# Altium PCB eva01.PcbDoc (part 2 of 4) (continued)
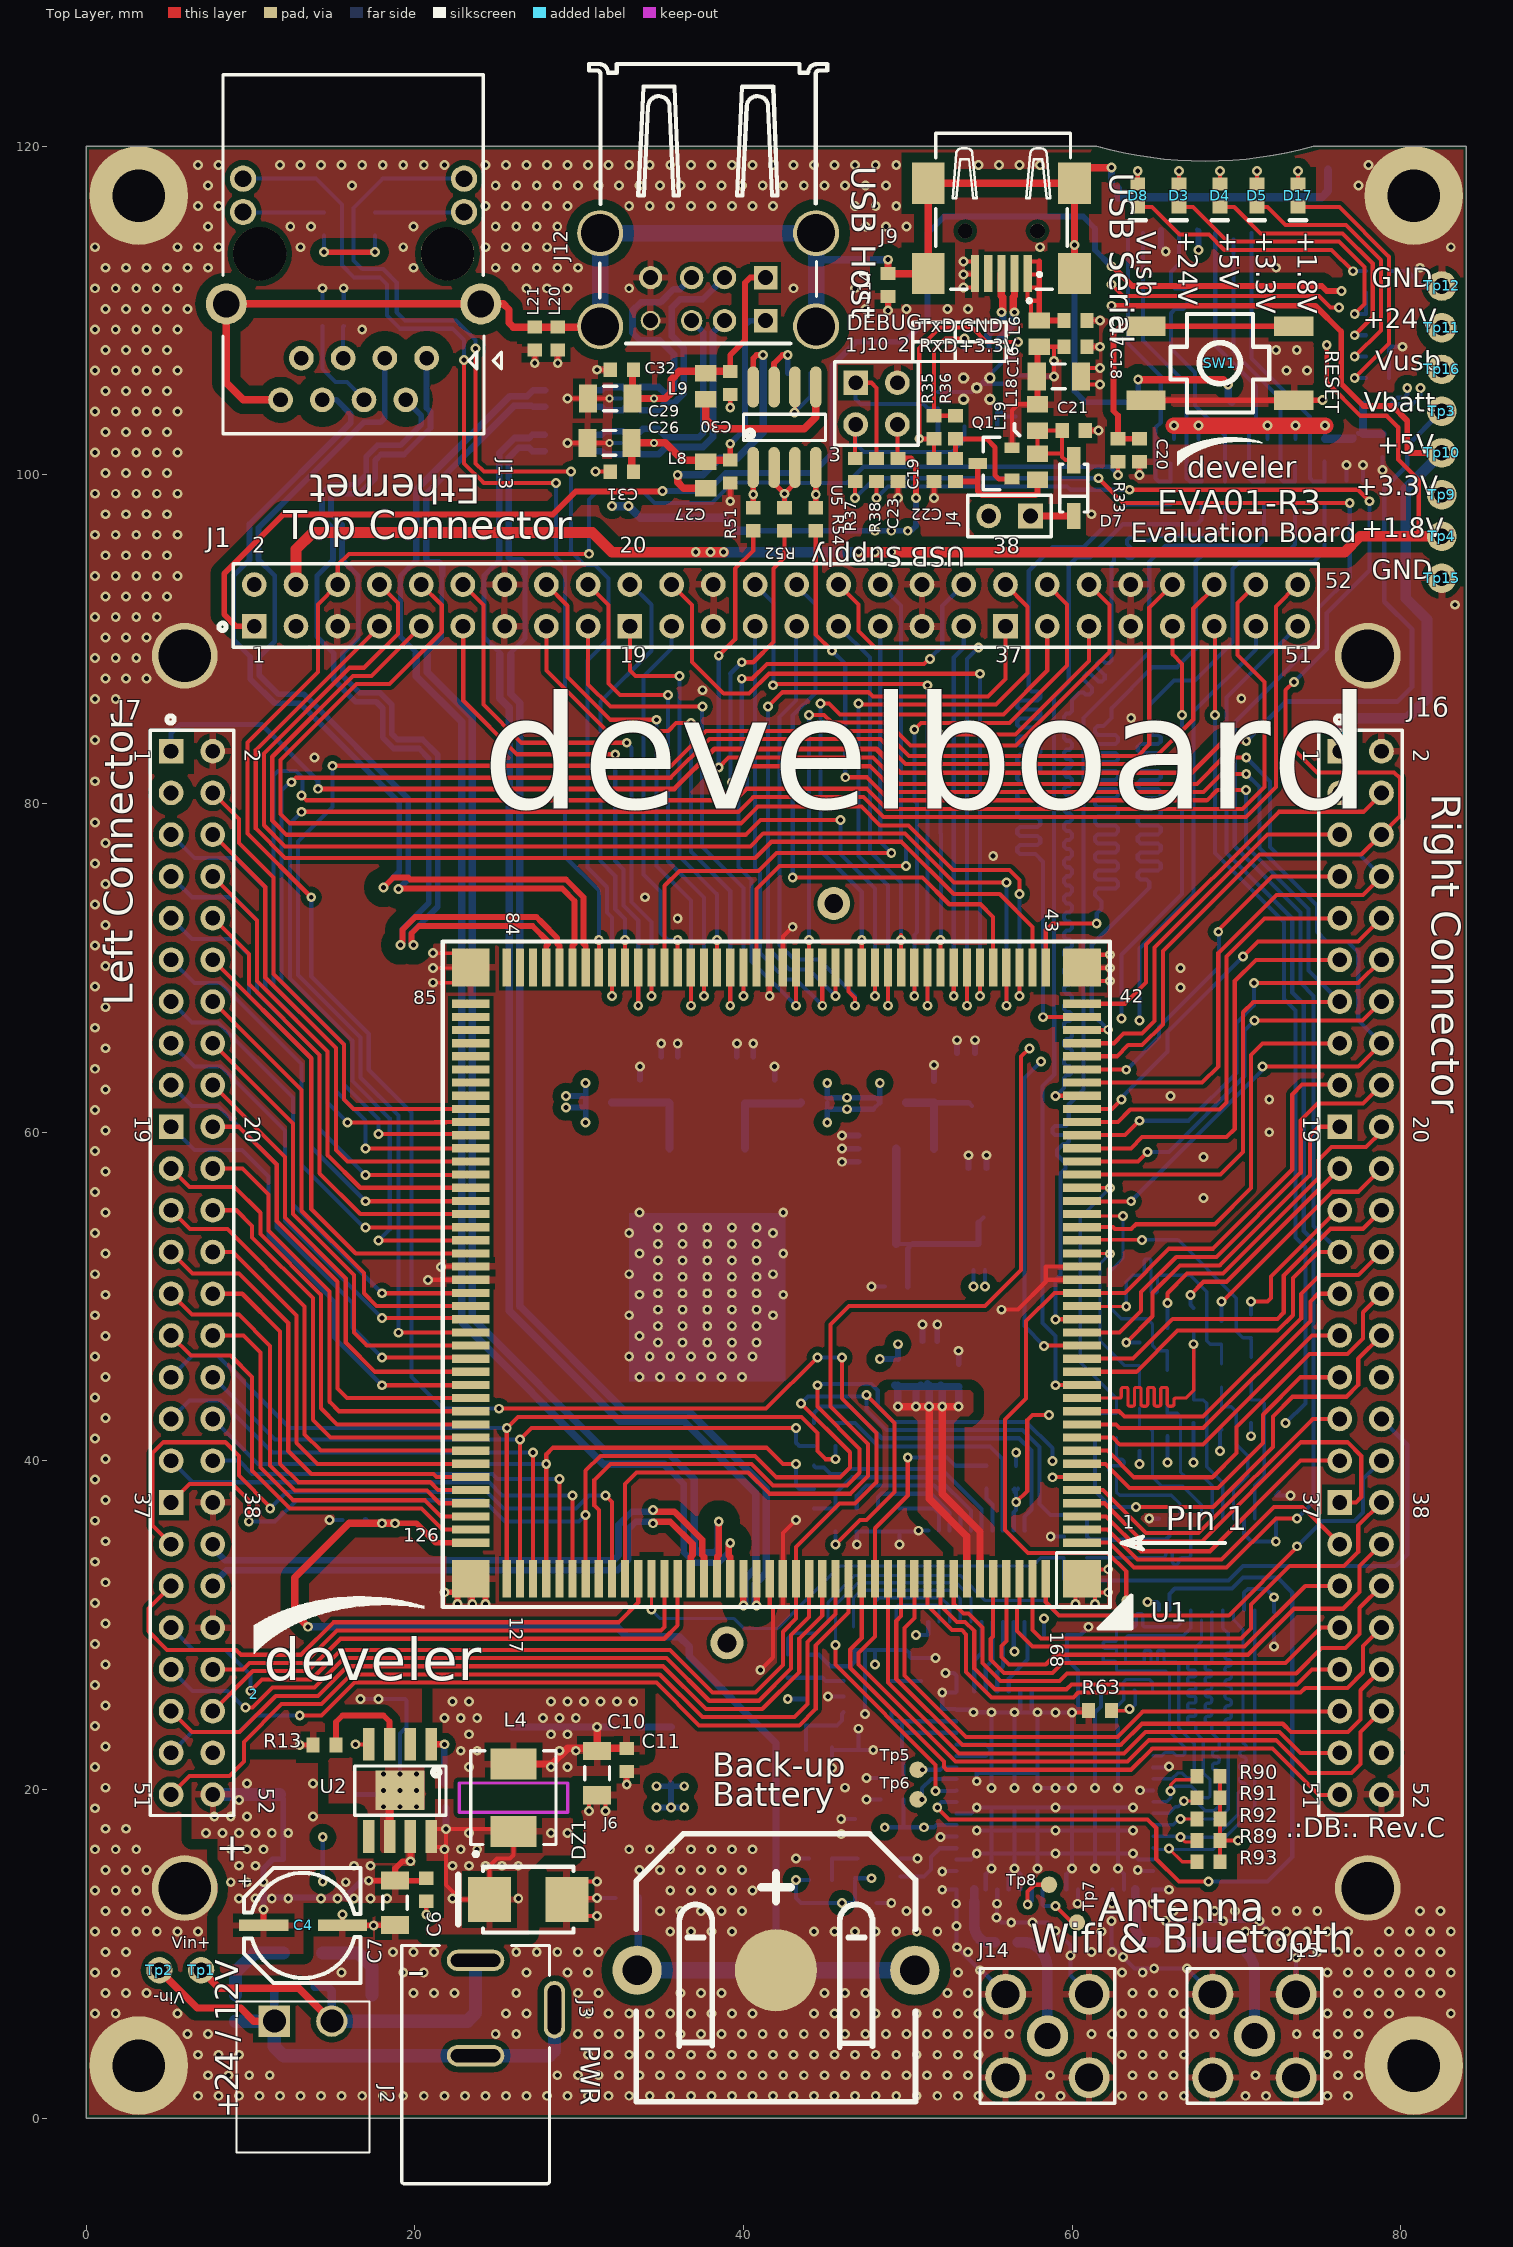
[diagram p0: Top Layer view]
## Nets (pads, with @x,y where several pads share a name; then routed paths per layer and width w, separated by ;. In a path a pad name is that pad's centre, name@x,y a point inside that pad or via, vN(x,y) a via of type N, cw(c..) or ccw(c..) an arc to the next point about the centre after c; other vN are vias at no path point) (continued)
  Bottom Layer w0.25: J13.12@9.475,117.96 J13.12@9.55,117.96 ; J13.12@9.55,118.03 13.997,118.03 15.575,116.452 15.575,112.76 16.31,112.025 17.875,112.025 18.3,111.6 18.3,109.7 19.1,108.9 22.3,108.9 23,108.2 v1(23,107) ; v1(28.6,99.5) 28.6,95 29.135,94.465 29.135,76.765 31.2,74.7 v1(31.2,71.7)
ETH_LEDSPEED: J13.10 U1.76 | length 70.9
  Top Layer w0.25: v1(23.7,107.7) 23.7,100.707 24.207,100.2 v1(29.5,100.2) ; v1(32,68.3) U1.76@32,70.02
  Bottom Layer w0.25: J13.10@23,118.03 18.053,118.03 16.275,116.252 16.275,113.05 16.8,112.525 18.082,112.525 18.9,111.707 18.9,109.9 19.4,109.4 22.507,109.4 23.7,108.207 23.7,107.8 23.6,107.7 v1(23.7,107.7) ; v1(29.5,100.2) 29.5,95.395 29.475,95.37 30.322,94.523 30.977,94.523 31.8,93.7 31.8,90 30.5,88.7 30.5,76.107 31.7,74.907 31.7,73.379 32,73.079 v1(32,68.3)
ETHRX_N: J13.6 U1.78 | length 56.6
  Top Layer w0.35: v1(18.1,74.9) 18.7,75.5 19.6,75.5 19.725,75.375 29.2,75.375 30.275,74.3 30.275,71.47 30.4,71.345 U1.78@30.4,70.02
  Bottom Layer w0.3: 9.94,94.843 8.968,93.872 8.968,89.952 9.99,88.93
  Bottom Layer w0.35: 9.94,94.843 9.94,97.018 16.1,103.178 16.1,103.7 15.23,104.57 J13.6@14.37,104.57 ; 9.99,88.93 9.99,87.582 11.472,86.1 13.022,86.1 19.05,80.072 19.05,75.85 v1(18.1,74.9)
ETHRX_P: J13.3 U1.79 | length 57
  Top Layer w0.35: v1(19,74.8) 19,74.75 19.025,74.775 19.075,74.825 28.972,74.825 29.725,74.072 29.725,71.47 29.6,71.345 U1.79@29.6,70.02
  Bottom Layer w0.3: 10.49,94.858 11.48,93.868 11.48,89.86 10.54,88.92
  Bottom Layer w0.35: 10.49,94.858 10.49,96.79 16.9,103.2 17.9,103.2 18.18,103.48 J13.3@18.18,107.11 ; 10.54,88.92 10.54,87.81 11.7,86.65 13.25,86.65 19.6,80.3 19.6,75.4 v1(19,74.8)
ETHTX_N: J13.2 U1.80 | length 56.7
  Top Layer w0.35: v1(19.125,71.4) 19.25,71.525 19.25,72.328 20.022,73.1 27.4,73.1 27.722,72.778 28.675,71.825 28.675,71.47 28.8,71.345 U1.80@28.8,70.02
  Bottom Layer w0.3: 15.02,94.843 14.048,93.872 14.048,90.152 15.07,89.13
  Bottom Layer w0.35: 15.02,94.843 15.02,96.742 14.35,97.412 14.35,98.828 14.922,99.4 16.422,99.4 17.05,100.028 17.05,101.128 17.722,101.8 19.122,101.8 20.4,103.078 20.4,103.62 J13.2@19.45,104.57 ; 15.07,89.13 15.07,87.53 16.4,86.2 17.65,86.2 18.05,85.8 18.05,84.018 18.718,83.35 20.25,83.35 20.85,82.75 20.85,73.95 19.25,72.35 19.25,71.525 v1(19.125,71.4)
ETHTX_P: J13.1 U1.81 | length 57.2
  Top Layer w0.35: v1@19.961,71.364 v1(19.925,71.4) 19.8,71.525 19.8,72.1 20.25,72.55 27.172,72.55 28.125,71.597 28.125,71.47 28,71.345 U1.81@28,70.02
  Bottom Layer w0.3: 15.57,94.858 16.56,93.868 16.56,90.06 15.62,89.12
  Bottom Layer w0.35: 15.57,94.858 15.57,96.97 14.9,97.64 14.9,98.6 15.15,98.85 16.65,98.85 17.6,99.8 17.6,100.9 17.95,101.25 19.35,101.25 20.95,102.85 20.95,103.848 20.72,104.078 J13.1@20.72,107.11 ; 15.62,89.12 15.62,87.758 16.628,86.75 17.878,86.75 18.6,86.028 18.6,84.246 18.946,83.9 20.478,83.9 21.4,82.978 21.4,73.722 19.8,72.122 19.8,71.525 v1(19.925,71.4)
FTDIUSB_N: J9.2 U4.15 | length 5.1
  Top Layer w0.45: v1(56.5,109.9) 56.425,109.975 56.425,110.825 56.5,110.9 J9.2@56.5,112.25
  Bottom Layer w0.3: U4.15@55.45,107.65 55.45,108.25
  Bottom Layer w0.45: 55.497,108.203 56.425,109.131 56.425,109.825 v1(56.5,109.9)
FTDIUSB_P: J9.3 U4.14 | length 5.1
  Top Layer w0.45: v1(55.7,109.9) 55.775,109.975 55.775,110.825 55.7,110.9 J9.3@55.7,112.25
  Bottom Layer w0.3: 54.875,108.275 54.95,108.2 U4.14@54.95,107.65
  Bottom Layer w0.45: 54.875,108.275 54.875,108.5 55.775,109.4 55.775,109.825 v1(55.7,109.9)
GND: C1.2 C2.2 C4.2 C5.2 C6.1 C7.2 C8.2 C10.2 C11.1 C12.2 C13.2 C14.1 C15.1 C16.2 C17.2 C18.2 C19.2 C20.1 C21.1 C23.2 C24.2 C25.2 C26.2 C27.2 C28.2 C29.2 C30.2 C31.1 C32.1 C33.2 C34.2 C35.1 C36.1 C37.1 C38.1 C39.1 C40.1 C41.1 C42.1 C43.1 C44.1 C47.1 C48.1 C49.2 C50.2 C73.1 C74.1 D1.- D2.2 DZ1.2 J1.5 J1.13 J1.14 J1.23 J1.24 J1.33 J1.34 J1.43 J1.44 J6.NEG J7.2 J7.38 J7.44 J9.5 J10.2 J11.6 J12.A4 J12.B4 J14.2 J14.3 J14.4 J14.5 J15.2 J15.3 J15.4 J15.5 J16.2 J16.52 L14.2 L20.2 L21.2 pad.Hole R8.1 R13.1 R14.1 R15.1 R16.1 R17.1 R63.2 R65.2 R66.2 R67.2 R68.2 R69.2 R70.1 R71.2 R77.2 R78.1 R94.1 R150.1 SW1.3 SW1.4 Tp12.1 Tp15.1 U1.21 U1.22 U1.63 U1.64 U1.105 U1.106 U1.147 U1.148 U1.GND U2.6 U2.9 U3.2 U4.4 U4.17 U4.20 U4.24 U4.26 U4.GND_PAD U5.6 U6.2 U7.2 U8.11 U9.1 U9.7 U9.9 U9.15 U9.16 U9.17 U9.19 U9.20 U9.23 U9.24 U9.28 U9.29 U9.30 U9.31 U9.33 U9.34 U9.35 U9.37 U9.39 U9.44 U9.45 U9.48 U9.49 U9.54 U9.55 U9.59 U9.61 U9.63 U9.GND U10.2 U11.11 U12.2 U28.1 | length 376.3
  Top Layer w0.2: v1(21.1,69.1) U1.GND@23.28,69.1 ; v1(21.1,70) U1.GND@23.28,70 ; v1(21.1,70.9) U1.GND@23.28,70.9
  Top Layer w0.25: v1(13,22.7) R13.1@13.8,22.7 ; v1(20.8,51) 20.82,51.02 U1.106@23.4,51.02 ; v1(21.6,51.8) 21.62,51.82 U1.105@23.4,51.82 ; v1(27.3,106.8) L21.2@27.3,107.6 ; v1(28.7,106.8) L20.2@28.7,107.6 ; v1(29.3,101.95) v2(31.85,101.95) ; v1(29.3,104.65) v2(31.85,104.65) ; DZ1.2@30.3,12.3 v1(31.1,12.3) ; DZ1.2@30.3,13.4 v1(31.1,13.4) ; DZ1.2@30.3,14.4 v1(31.1,14.4) ; v1(30.6,18.7) C10.2@30.6,19.5 ; v1(31,100.2) C31.1@31.9,100.2 ; v1(31.1,106.4) C32.1@31.9,106.4 ; v1(31.6,18.7) C10.2@31.6,19.5 ; v1(32.9,20.3) C11.1@32.9,21.1 ; v1(39.2,98.4) C27.2@39.2,99.5 ; v1(39.2,104.1) C30.2@39.2,104.9 ; v1(41.027,27.273) 41.8,28.045 41.8,31.1 ; v1(41.6,68.3) U1.64@41.6,70.02 ; U1.147@41.7,32.72 U1.147@41.6,32.82 41.6,31.2 41.7,31.1 41.8,31.1 ; v1@41.875,64.025 v1(41.9,64) ; U1.63@42.4,70.02 42.4,71.9 v1(43,72.5) ; v1(43.1,103.8) 43.135,103.835 U5.6@43.135,105.35 ; v1(43.2,36.4) 42.4,35.6 U1.148@42.4,32.82 42.4,31.2 42.3,31.1 41.8,31.1 ; v1(49.4,98.6) C23.2@49.4,99.6 ; v1(51.6,98.6) C19.2@51.6,99.6 ; v1(53.4,111.4) 54.05,111.4 54.1,111.35 J9.5@54.1,112.15 ; v1(53.4,112.2) 54.05,112.2 J9.5@54.1,112.15 ; v1(53.4,113) 54.05,113 54.1,112.95 J9.5@54.1,112.25 J9.5@54.1,112.15 ; v1(55.7,49.2) 56.7,49.2 58.4,50.9 58.4,51.04 ; v1(60,24.696) 60.996,24.696 R63.2@61.1,24.8 ; v1(60.2,31.3) 60.2,32.52 U1.GND@60.5,32.82 ; U1.GND@60.58,32 U1.GND@61.1,32 ; U1.GND@60.6,32.82 60.72,32.82 61.3,33.4 v1(62.2,33.4) ; U1.21@60.6,51.02 58.42,51.02 58.4,51.04 ; U1.22@60.6,51.82 58.42,51.82 58.4,51.8 58.4,51.04 ; U1.GND@60.72,69.2 v1(62.3,69.2) ; U1.GND@60.72,70 v1(62.3,70) ; U1.GND@60.72,70.8 v1(62.3,70.8) ; C21.1@60.8,102.7 v1(61.6,102.7) ; C16.2@60.9,105.5 v1@61.8,105.5 ; C16.2@60.9,106.5 v1@61.8,106.5 ; C18.2@60.9,107.8 v1@61.8,107.8 ; C17.2@60.9,109.4 61.8,109.4 v1(61.7,109.4) ; U1.GND@61.1,32.82 U1.GND@61.1,32 ; v1(61.4,31.3) U1.GND@61.4,32 ; v1(62.2,32) U1.GND@61.4,32 ; v1(64.1,100) C20.1@64.1,100.8 ; U1.GND@61.1,32 U1.GND@61.4,32
  Top Layer w0.3: v1(15.6,12.4) C4.2@15.6,11.725 18.775,11.725 C7.2@18.8,11.75 ; v1(20.7,12.4) C6.1@20.7,13.2
  Top Layer w0.35: v1(21.8,32) U1.GND@22.6,32 ; v1(22.6,31.3) U1.GND@22.6,32 ; U1.GND@22.6,32.2 U1.GND@22.6,32 ; U1.GND@22.7,32 U1.GND@22.6,32 ; v1(23.5,31.3) U1.GND@23.5,32.2 ; v1(24.3,31.3) U1.GND@24.3,32.2 ; v1(48.8,110) L14.2@48.8,110.85 ; SW1.3@64.5,104.55 SW1.4@73.5,104.55 v1(75.25,104.55)
  Top Layer w0.5: U2.6@18.465,17 U2.6@18.465,17.15 18.465,19.165 U2.9@19.1,19.8
  Bottom Layer w0.2: U9.GND@62.7,23.7 62.7,25.019 63.15,25.469 U9.63@63.15,25.975 ; U9.63@63.1,25.9 63.1,26.5 63.3,26.7 64.7,26.7 64.9,26.5 64.9,26 U9.1@64.925,25.975
  Bottom Layer w0.25: C33.2@14.375,110.46 v1(14.375,111.36) ; v1(14.8,36.4) C47.1@15.6,36.4 ; C34.2@15.675,110.46 v1(15.675,111.36) ; v1(16.7,25.5) v1(17.8,25.5) 19.4,25.5 19.5,25.4 C5.2@19.5,23.8 19.1,23.4 U2.9@19.1,20.95 ; v1(31.1,13.4) C48.1@32.2,13.4 ; v2(31.85,101.95) U6.2@32.55,101.95 ; v2(31.85,104.65) U7.2@32.55,104.65 ; v1(43.1,103.8) 44.1,104.8 C28.2@44.1,106.2 ; v1(43.2,15.8) R94.1@44,15.8 ; R70.1@44,28.2 44.6,28.2 45.3,27.5 46.5,27.5 46.8,27.8 46.8,28.4 R65.2@46.7,28.5 47.3,28.5 ; v1(45.15,25.65) U10.2@46.1,25.65 ; v1(45.4,21.3) C41.1@45.4,22.4 ; C41.1@45.4,22.55 C41.1@45.4,22.4 ; v1@45.95,17.3 C42.1@46.8,17.3 ; v1(45.95,18.2) C42.1@46.8,18.2 ; v1(46.9,34.9) 46.9,34.8 R66.2@46.9,35.7 R68.2@48.2,35.7 R71.2@49.5,35.7 ; v1(47,23.7) 47,22.45 C40.1@46.95,22.4 ; v1(47.4,24.6) 47.4,28.4 47.3,28.5 ; v1(47.5,19.4) C43.1@48.35,19.4 ; v1(47.5,20.7) C39.1@48.35,20.7 ; v1(47.8,50.6) C74.1@48.6,50.6 ; v1(47.9,22.4) C40.1@46.95,22.4 ; v1(48,27.6) R67.2@48,28.5 ; C44.1@48.1,13.1 C44.1@48.2,13.1 v1(49,13.1) ; v1(49.5,34.9) R71.2@49.5,35.7 ; U12.2@49.575,15.8 v1(50.6,15.8) ; U8.11@51.25,35.75 v1(50.65,35.75) 50.6,35.7 R71.2@49.5,35.7 ; v1(51.7,28) R77.2@50.8,28 50.2,28 50.1,28.1 50.1,28.3 49.9,28.5 R69.2@49.3,28.5 R67.2@48,28.5 ; U4.4@51.85,105.05 U4.GND_PAD@53.95,105.05 ; v1(52,17.1) 52.05,17.15 U9.37@52.975,17.15 ; v1(52.1,13.9) 52.075,13.925 U9.33@52.975,13.925 v1(52.975,11.7) 52.975,10.425 v1(53,10.4) v1(54.4,9) 54.5,9 J14.5@55.96,7.54 ; v1(52.1,15) 52.05,15.05 U9.34@52.975,15.05 ; v1(52.3,27.1) 52.8,27.1 52.975,26.925 U9.49@52.975,25.975 52.9,25.9 v1(52.1,25.9) 52.1,24.9 52.925,24.9 U9.48@52.975,24.85 54.05,24.85 54.2,24.7 v1(55.1,24.7) ; U9.35@52.975,15.75 53.85,15.75 v1(54.2,16.1) U9.GND@55.1,16.1 ; U9.39@52.975,18.55 53.85,18.55 v1(54.2,18.9) U9.GND@55.1,18.9 ; U9.44@52.975,22.05 54.75,22.05 U9.GND@55.1,22.4 ; U9.45@52.975,22.75 54.75,22.75 U9.GND@55.1,22.4 ; v1(54.2,17.5) U9.GND@55.1,17.5 ; v1(54.2,20.5) 54.2,21 U9.GND@55.1,21 ; U9.31@54.75,13.925 54.75,14.85 v1(55.1,15.2) U9.GND@55.1,16.1 ; U4.GND_PAD@54.8,104.7 U4.GND_PAD@55.45,104.05 ; v1(55.1,20.1) U9.GND@55.1,21 ; v1(55.425,13.05) 55.425,12.225 v1(55.4,12.2) 55.7,11.9 v1(56.3,11.9) v1(57.6,11.9) 58.5,11.9 v1(59,11.4) 59.9,10.5 v1(59.9,9.9) 59.9,8.68 J14.4@61.04,7.54 ; v1@55.45,13.075 U9.30@55.45,13.925 ; U4.26@55.45,102.95 U4.GND_PAD@55.45,104.05 ; U9.29@56.15,13.925 56.15,14.85 v1(56.5,15.2) ; v1(56.5,20.1) U9.GND@56.5,21 ; U4.24@56.55,103.55 55.95,103.55 U4.GND_PAD@55.45,104.05 ; U4.20@56.55,105.55 54.45,105.55 55.95,107.05 U4.17@56.55,107.05 ; C36.1@56.6,39.7 v1(56.6,40.5) ; 56.8,24.7 56.85,24.75 U9.54@56.85,25.975 ; U9.28@56.85,13.925 56.85,14.85 v1(56.5,15.2) ; U9.55@57.55,25.975 57.55,24.746 57.6,24.696 ; v1(57.9,15.2) U9.GND@57.9,16.1 ; v1(58.7,35.4) R78.1@59.5,35.4 ; U9.24@59.65,13.925 59.65,14.85 v1(60,15.2) U9.GND@60,16.1 ; v1(60.325,13.05) 60.35,13.075 U9.23@60.35,13.925 ; v1(61,29.9) 60.5,29.4 C35.1@59.7,29.4 59.7,27.9 60.35,27.25 U9.59@60.35,25.975 60.35,24.742 60.304,24.696 ; v1(61.4,15.2) U9.GND@61.4,16.1 ; v1(61.4,20.1) U9.GND@61.4,21 U9.GND@61.4,22.4 U9.GND@61.4,23.8 61.4,24.696 60.304,24.696 ; 61.4,24.7 61.75,25.05 U9.61@61.75,25.975 ; U9.20@62.45,13.925 62.45,13.075 v1(62.425,13.05) 62.425,12.025 v1(62.4,12) 62.4,10.5 v1(63.1,9.8) 63.8,9.1 v1(65,9.1) v1(67,9.1) J15.5@68.56,7.54 ; v1(62.8,20.1) U9.GND@62.8,21 U9.GND@62.8,22.4 U9.GND@62.8,23.8 ; U9.19@63.15,13.925 63.15,14.85 v1(62.8,15.2) U9.GND@62.8,16.1 ; v1(63.7,17.5) U9.GND@62.8,17.5 ; v1(63.7,18.9) U9.GND@62.8,18.9 ; v1(64,15.1) 64.05,15.05 U9.16@64.925,15.05 ; v1(64.131,19.95) U9.9@64.925,19.95 ; v1(64.7,36.5) 64.725,36.475 U11.11@65.275,36.475 ; U9.15@64.925,15.75 64.05,15.75 v1(63.7,16.1) U9.GND@62.8,16.1 ; U9.7@64.925,21.35 65.85,21.35 v1(65.9,21.4) ; v1(65.9,13.9) 65.875,13.925 U9.17@64.925,13.925 64.925,13.075 v1(64.9,13.05) 64.9,12.5 65.4,12 v1(65.7,12) v1(67.7,12) v1(69.2,12) v1(71.4,12) v1(72.7,10.7) v1(73.64,9.76) J15.4@73.64,7.54 ; v1(72.3,28.7) C38.1@72.3,29.5 ; C37.1@72.6,38.1 C37.1@72.4,37.9 v1(73.3,37.9) ; C24.2@76.7,99.65 v1(76.7,100.6) ; C24.2@77.7,99.65 v1(77.7,100.6) ; v1(78.9,100.3) C25.2@78.9,101.1 ; R150.1@79.3,105.9 R17.1@79.3,107.2 79.3,107.85 ; v1(80.1,107.8) 79.35,107.8 79.3,107.85 ; Tp12.1@82.5,111.5 81.3,111.5 80.4,112.4 R8.1@79.3,112.4 R15.1@79.3,111.1 R14.1@79.3,109.8 R16.1@79.3,108.5 79.3,107.85 ; C41.1@45.4,22.4 C40.1@46.95,22.4 ; 47.3,28.5 R67.2@48,28.5 ; U9.GND@55.1,16.1 U9.GND@56.5,16.1 ; U9.GND@55.1,16.1 U9.GND@55.1,17.5 ; U9.GND@55.1,17.5 U9.GND@56.5,17.5 ; U9.GND@55.1,17.5 U9.GND@55.1,18.9 ; U9.GND@55.1,18.9 U9.GND@56.5,18.9 ; U9.GND@55.1,21 U9.GND@55.1,22.4 ; U9.GND@55.1,21 U9.GND@56.5,21 ; U9.GND@55.1,22.4 U9.GND@55.1,23.8 55.1,24.696 v1@56.6,24.696 ; v1(56.5,15.2) U9.GND@56.5,16.1 ; U9.GND@56.5,16.1 U9.GND@57.9,16.1 ; U9.GND@56.5,16.1 U9.GND@56.5,17.5 ; U9.GND@56.5,17.5 U9.GND@57.9,17.5 ; U9.GND@56.5,17.5 U9.GND@56.5,18.9 ; U9.GND@56.5,18.9 U9.GND@57.9,18.9 ; U9.GND@56.5,21 U9.GND@57.9,21 ; U9.GND@56.5,21 U9.GND@56.5,22.4 U9.GND@56.5,23.8 56.5,24.596 v1@56.6,24.696 ; v1@56.6,24.696 57.6,24.696 ; 57.6,24.696 v1@57.9,24.696 ; U9.GND@57.9,16.1 U9.GND@57.9,17.5 ; U9.GND@57.9,16.1 v1(59,16.1) U9.GND@60,16.1 ; U9.GND@57.9,17.5 U9.GND@57.9,18.9 ; U9.GND@57.9,17.5 v1(59,17.5) U9.GND@60,17.5 ; U9.GND@57.9,18.9 v1(59,18.9) U9.GND@60,18.9 ; U9.GND@57.9,21 U9.GND@57.9,22.4 U9.GND@57.9,23.8 v1@57.9,24.696 ; U9.GND@57.9,21 v1(57.9,20.1) v1(59,20.1) v1(60,20.1) U9.GND@60,21 U9.GND@60,22.4 U9.GND@60,23.8 v1(60,24.696) ; v1@57.9,24.696 v1(59,24.696) v1(60,24.696) ; U9.GND@60,16.1 U9.GND@60,17.5 ; U9.GND@60,16.1 U9.GND@61.4,16.1 ; U9.GND@60,17.5 U9.GND@60,18.9 ; U9.GND@60,17.5 U9.GND@61.4,17.5 ; U9.GND@60,18.9 U9.GND@61.4,18.9 ; v1(60,24.696) 60.304,24.696 ; U9.GND@61.4,16.1 U9.GND@61.4,17.5 ; U9.GND@61.4,16.1 U9.GND@62.8,16.1 ; U9.GND@61.4,17.5 U9.GND@61.4,18.9 ; U9.GND@61.4,17.5 U9.GND@62.8,17.5 ; U9.GND@61.4,18.9 U9.GND@62.8,18.9 ; U9.GND@62.8,16.1 U9.GND@62.8,17.5 ; U9.GND@62.8,17.5 U9.GND@62.8,18.9
  Bottom Layer w0.3: v1(14.4,14.4) D1.-@14.4,15.75 v1(14.4,17.1) ; D2.2@16.449,19.7 17.85,19.7 U2.9@18.1,19.95
  Bottom Layer w0.35: C14.1@33.7,63.2 v1(33.7,64) ; C12.2@35,64.6 v1(35,65.4) ; C12.2@36,64.6 v1(36,65.4) ; C13.2@39.6,64.6 v1(39.6,65.4) ; C13.2@40.6,64.6 v1(40.6,65.4) ; C15.1@41.9,63.2 v1(41.9,64) ; v1(46,58.2) U28.1@47,58.2 ; v1(46,59) U28.1@47,59 ; v1(46,59.8) U28.1@47,59.8 ; C1.2@50.9,47.275 v1(50.9,48.3) ; C73.1@51.6,63.1 v1(51.6,64.1) ; C1.2@51.8,47.275 v1(51.8,48.3) ; C49.2@53,64.8 v1(53,65.6) ; C2.2@53.1,45.9 v1(53.1,46.7) ; C50.2@53.7,57.8 v1(53.7,58.6) ; C49.2@54.1,64.8 v1(54.1,65.6) ; C50.2@54.8,57.8 v1(54.8,58.6) ; J11.6@65.415,114.925 65.415,113.885 v1(65.7,113.6)
  other v1: 6.799,1.359 8.049,1.359 9.299,1.359 10.549,1.359 11.799,1.359 13.049,1.359 14.299,1.359 15.549,1.359 16.799,1.359 18.049,1.359 19.299,1.359 20.549,1.359 21.799,1.359 23.049,1.359 24.299,1.359 25.549,1.359 26.799,1.359 28.049,1.359 29.299,1.359 30.549,1.359 31.799,1.359 33.049,1.359 34.299,1.359 35.549,1.359 36.799,1.359 38.049,1.359 39.299,1.359 40.549,1.359 41.799,1.359 43.049,1.359 44.299,1.359 45.549,1.359 46.799,1.359 48.049,1.359 49.299,1.359 50.549,1.359 51.799,1.359 53.049,1.359 54.299,1.359 58.049,1.359 59.299,1.359 63.049,1.359 64.299,1.359 65.549,1.359 66.799,1.359 70.549,1.359 71.799,1.359 75.549,1.359 76.799,1.359 7.424,2.609 8.674,2.609 9.924,2.609 11.174,2.609 28.674,2.609 29.924,2.609 31.174,2.609 32.424,2.609 33.674,2.609 34.924,2.609 36.174,2.609 37.424,2.609 38.674,2.609 39.924,2.609 41.174,2.609 42.424,2.609 43.674,2.609 44.924,2.609 46.174,2.609 47.424,2.609 48.674,2.609 49.924,2.609 51.174,2.609 52.424,2.609 53.674,2.609 58.674,2.609 63.674,2.609 64.924,2.609 66.174,2.609 71.174,2.609 76.174,2.609 77.424,2.609 6.799,3.859 8.049,3.859 9.299,3.859 30.549,3.859 31.799,3.859 33.049,3.859 34.299,3.859 35.549,3.859 36.799,3.859 38.049,3.859 39.299,3.859 40.549,3.859 41.799,3.859 43.049,3.859 44.299,3.859 45.549,3.859 46.799,3.859 48.049,3.859 49.299,3.859 50.549,3.859 51.799,3.859 53.049,3.859 54.299,3.859 63.049,3.859 64.299,3.859 65.549,3.859 66.799,3.859 75.549,3.859 76.799,3.859 6.174,5.109 7.424,5.109 24.924,5.109 26.174,5.109 29.924,5.109 31.174,5.109 32.424,5.109 33.674,5.109 34.924,5.109 36.174,5.109 37.424,5.109 38.674,5.109 39.924,5.109 41.174,5.109 42.424,5.109 43.674,5.109 44.924,5.109 46.174,5.109 47.424,5.109 48.674,5.109 49.924,5.109 51.174,5.109 52.424,5.109 53.674,5.109 54.924,5.109 56.174,5.109 61.174,5.109 62.424,5.109 63.674,5.109 64.924,5.109 66.174,5.109 67.424,5.109 68.674,5.109 73.674,5.109 74.924,5.109 76.174,5.109 77.424,5.109 0.549,6.359 1.799,6.359 5.549,6.359 25.549,6.359 26.799,6.359 30.549,6.359 31.799,6.359 33.049,6.359 34.299,6.359 35.549,6.359 36.799,6.359 38.049,6.359 39.299,6.359 40.549,6.359 44.299,6.359 45.549,6.359 46.799,6.359 48.049,6.359 49.299,6.359 50.549,6.359 51.799,6.359 53.049,6.359 54.299,6.359 63.049,6.359 64.299,6.359 65.549,6.359 66.799,6.359 75.549,6.359 76.799,6.359 78.049,6.359 79.299,6.359 83.049,6.359 1.174,7.609 2.424,7.609 3.674,7.609 19.924,7.609 21.174,7.609 22.424,7.609 26.174,7.609 29.924,7.609 31.174,7.609 36.174,7.609 37.424,7.609 38.674,7.609 44.924,7.609 46.174,7.609 47.424,7.609 52.424,7.609 53.674,7.609 63.674,7.609 64.924,7.609 66.174,7.609 76.174,7.609 77.424,7.609 78.674,7.609 79.924,7.609 81.174,7.609 82.424,7.609 0.549,8.859 1.799,8.859 15.549,8.859 19.299,8.859 20.549,8.859 26.799,8.859 29.299,8.859 30.549,8.859 53.049,8.859 63.049,8.859 64.299,8.859 75.549,8.859 76.799,8.859 78.049,8.859 79.299,8.859 80.549,8.859 81.799,8.859 83.049,8.859 1.174,10.109 2.424,10.109 18.674,10.109 19.924,10.109 21.174,10.109 26.174,10.109 27.424,10.109 28.674,10.109 29.924,10.109 31.174,10.109 53.674,10.109 61.174,10.109 62.424,10.109 74.924,10.109 76.174,10.109 77.424,10.109 78.674,10.109 79.924,10.109 81.174,10.109 82.424,10.109 0.549,11.359 1.799,11.359 3.049,11.359 4.299,11.359 5.549,11.359 6.799,11.359 35.549,11.359 36.799,11.359 38.049,11.359 39.299,11.359 44.299,11.359 45.549,11.359 46.799,11.359 48.049,11.359 49.299,11.359 50.549,11.359 51.799,11.359 61.799,11.359 70.549,11.359 71.799,11.359 73.049,11.359 74.299,11.359 75.549,11.359 76.799,11.359 79.299,11.359 80.549,11.359 81.799,11.359 83.049,11.359 17.5,11.725 1.174,12.609 2.424,12.609 3.674,12.609 34.924,12.609 36.174,12.609 37.424,12.609 38.674,12.609 39.924,12.609 49.924,12.609 51.174,12.609 66.174,12.609 68.674,12.609 69.924,12.609 72.424,12.609 73.674,12.609 74.924,12.609 81.174,12.609 82.424,12.609 52.95,13.05 0.549,13.859 1.799,13.859 3.049,13.859 35.549,13.859 36.799,13.859 38.049,13.859 39.299,13.859 40.549,13.859 1.174,15.109 2.424,15.109 3.674,15.109 33.674,15.109 34.924,15.109 36.174,15.109 37.424,15.109 38.674,15.109 39.924,15.109 0.549,16.359 1.799,16.359 3.049,16.359 33.049,16.359 34.299,16.359 35.549,16.359 36.799,16.359 38.049,16.359 39.299,16.359 40.549,16.359 45.95,17.3 1.174,17.609 2.424,17.609 0.549,18.859 1.174,20.109 46.174,20.109 0.549,21.359 1.174,22.609 0.549,23.859 54,24.7 56.5,24.7 57.9,24.7 1.174,25.109 0.549,26.359 1.174,27.609 0.549,28.859 1.174,30.109 0.549,31.359 1.174,32.609 0.549,33.859 1.174,35.109 0.549,36.359 1.174,37.609 0.549,38.859 1.174,40.109 0.549,41.359 1.174,42.609 0.549,43.859 1.174,45.109 33.674,45.109 34.924,45.109 36.174,45.109 37.424,45.109 38.674,45.109 39.924,45.109 0.549,46.359 33.049,46.359 34.299,46.359 35.549,46.359 36.799,46.359 38.049,46.359 39.299,46.359 40.549,46.359 1.174,47.609 33.674,47.609 0.549,48.859 33.049,48.859 41.799,48.859 1.174,50.109 33.674,50.109 42.424,50.109 0.549,51.359 33.049,51.359 41.799,51.359 1.174,52.609 33.674,52.609 42.424,52.609 0.549,53.859 33.049,53.859 41.799,53.859 1.174,55.109 33.674,55.109 42.424,55.109 68,56 0.549,56.359 1.174,57.609 68,58.5 0.549,58.859 72,60 1.174,60.109 0.549,61.359 72,62 66,62.2 1.174,62.609 0.549,63.859 1.174,65.109 0.549,66.359 1.174,67.609 66.6,68.8 0.549,68.859 66.6,70 1.174,70.109 0.549,71.359 1.174,72.609 36,73 0.549,73.859 34,74.3 1.174,75.109 0.549,76.359 55.2,76.8 1.174,77.609 0.549,78.859 38.3,81.2 0.549,81.359 73.2,82.3 13.9,82.8 0.549,83.859 63.6,85.2 0.549,86.359 1.799,86.359 70.3,86.4 37.5,86.9 1.174,87.609 2.424,87.609 3.674,87.609 0.549,88.859 1.799,88.859 3.049,88.859 1.174,90.109 2.424,90.109 3.674,90.109 0.549,91.359 1.799,91.359 3.049,91.359 4.299,91.359 83.3,92.1 1.174,92.609 2.424,92.609 3.674,92.609 4.924,92.609 0.549,93.859 1.799,93.859 3.049,93.859 4.299,93.859 5.549,93.859 1.174,95.109 2.424,95.109 3.674,95.109 4.924,95.109 0.549,96.359 1.799,96.359 3.049,96.359 4.299,96.359 5.549,96.359 1.174,97.609 2.424,97.609 3.674,97.609 4.924,97.609 61.174,97.609 0.549,98.859 1.799,98.859 3.049,98.859 4.299,98.859 5.549,98.859 1.174,100.109 2.424,100.109 3.674,100.109 4.924,100.109 0.549,101.359 1.799,101.359 3.049,101.359 4.299,101.359 5.549,101.359 1.174,102.609 2.424,102.609 3.674,102.609 4.924,102.609 0.549,103.859 1.799,103.859 3.049,103.859 4.299,103.859 5.549,103.859 1.174,105.109 2.424,105.109 3.674,105.109 4.924,105.109 61.7,105.5 0.549,106.359 1.799,106.359 3.049,106.359 4.299,106.359 5.549,106.359 73.049,106.359 74.299,106.359 61.7,106.5 1.174,107.609 2.424,107.609 3.674,107.609 4.924,107.609 72.424,107.609 73.674,107.609 61.7,107.8 0.549,108.859 1.799,108.859 3.049,108.859 4.299,108.859 5.549,108.859 16.799,108.859 1.174,110.109 2.424,110.109 3.674,110.109 4.924,110.109 6.174,110.109 47.424,110.109 49.924,110.109 52.424,110.109 53.674,110.109 0.549,111.359 1.799,111.359 3.049,111.359 4.299,111.359 5.549,111.359 26.799,111.359 28.049,111.359 29.299,111.359 33.049,111.359 43.049,111.359 46.799,111.359 1.174,112.609 2.424,112.609 3.674,112.609 4.924,112.609 6.174,112.609 7.424,112.609 19.924,112.609 24.924,112.609 26.174,112.609 27.424,112.609 28.674,112.609 29.924,112.609 72.424,112.609 81.174,112.609 0.549,113.859 5.549,113.859 6.799,113.859 8.049,113.859 13.049,113.859 19.299,113.859 24.299,113.859 25.549,113.859 26.799,113.859 28.049,113.859 58.049,113.859 83.049,113.859 7.424,115.109 12.424,115.109 13.674,115.109 19.924,115.109 24.924,115.109 26.174,115.109 27.424,115.109 28.674,115.109 47.424,115.109 48.674,115.109 49.924,115.109 6.799,116.359 8.049,116.359 24.299,116.359 25.549,116.359 26.799,116.359 28.049,116.359 29.299,116.359 33.049,116.359 34.299,116.359 35.549,116.359 36.799,116.359 38.049,116.359 39.299,116.359 40.549,116.359 41.799,116.359 46.799,116.359 48.049,116.359 49.299,116.359 7.424,117.609 16.174,117.609 24.924,117.609 26.174,117.609 27.424,117.609 28.674,117.609 29.924,117.609 31.174,117.609 32.424,117.609 33.674,117.609 34.924,117.609 36.174,117.609 37.424,117.609 38.674,117.609 39.924,117.609 41.174,117.609 42.424,117.609 43.674,117.609 44.924,117.609 46.174,117.609 47.424,117.609 48.674,117.609 77.424,117.609 6.799,118.859 8.049,118.859 11.799,118.859 13.049,118.859 14.299,118.859 15.549,118.859 16.799,118.859 18.049,118.859 19.299,118.859 20.549,118.859 21.799,118.859 24.299,118.859 25.549,118.859 26.799,118.859 28.049,118.859 29.299,118.859 30.549,118.859 31.799,118.859 33.049,118.859 34.299,118.859 35.549,118.859 36.799,118.859 38.049,118.859 39.299,118.859 40.549,118.859 41.799,118.859 43.049,118.859 44.299,118.859 45.549,118.859 46.799,118.859 48.049,118.859 49.299,118.859 54.299,118.859 55.549,118.859 56.799,118.859 58.049,118.859 78.049,118.859
IRQ: R93.2 U9.14 U11.1 | length 21.4
  Top Layer w0.2: v1(65.9,16.4) 66.7,15.6 R93.2@67.6,15.6
  Bottom Layer w0.2: U9.14@64.925,16.45 65.025,16.35 65.9,16.35 68.586,16.35 71.125,18.889 U11.1@71.125,30.925
JTAGSEL_V2: J7.36 U1.131 | length 27.6
  Top Layer w0.25: U1.131@28.8,32.82 v1(28.8,38.9)
  Bottom Layer w0.25: J7.36@7.71,40.01 9.29,40.01 10.1,39.2 24.721,39.2 25.021,38.9 v1(28.8,38.9)
NetC9_1: C9.1 U2.1 | length 3.2
  Top Layer w0.4: U2.1@21.005,22.75 v1(21.8,22.75)
  Bottom Layer w0.4: C9.1@21.8,20.35 v1(21.8,22.75)
NetC12_1: C12.1 C14.2 L5.2 U3.1 | length 6.2
  Bottom Layer w0.5: L5.2@32,61.8 35.45,61.8 C12.1@35.5,61.75 U3.1@35.5,59.025
NetC13_1: C13.1 C15.2 L15.2 U3.3 | length 6.1
  Bottom Layer w0.5: U3.3@40.1,59.025 C13.1@40.1,61.75 43.45,61.75 L15.2@43.5,61.8
NetC17_1: C17.1 J9.1 L6.2 | length 13.6
  Top Layer w0.25: L6.2@57.5,109.9 57.5,110.6 ; 58,110.5 58,110.7 ; J9.1@57.3,111.35 57.35,111.4 58,111.4 ; J9.1@57.3,111.35 57.3,110.6 57.5,110.6 ; J9.1@57.3,111.35 J9.1@57.3,112.15 ; J9.1@57.3,112.15 J9.1@57.3,112.25 57.3,112.95 57.35,113 58,113 58,112.2 ; J9.1@57.3,112.15 57.35,112.2 58,112.2 ; 57.5,110.6 57.9,110.6 58,110.7 ; 58,110.7 58,111.4 ; 58,111.4 58,112.2
  Top Layer w0.35: 58,113 58,112.2 58,111.4 L6.2@58,109.4 C17.1@59.5,109.4
NetC20_2: C20.2 R33.1 SW1.1 SW1.2 | length 19
  Top Layer w0.35: R33.1@62.8,102.2 62.8,103.625 62.525,103.9 62.525,108.6 62.975,109.05 SW1.1@64.5,109.05 SW1.2@73.5,109.05 ; R33.1@62.8,102.2 C20.2@64.1,102.2
NetC21_2: C21.2 D7.2 L18.1 L19.1 | length 6.8
  Top Layer w0.25: D7.2@60.1,100.9 59.6,100.9 59.4,101.1 59.4,101.3 ; 59.4,101.3 C21.2@59.4,102.7 L18.1@57.9,102.7 L19.1@57.9,101.3 59.4,101.3
NetC22_1: C22.1 Q1.1 R36.1 | length 6.6
  Top Layer w0.3: C22.1@52.9,101 R36.1@52.9,102.2 54.8,102.2 55.313,101.688 55.313,99.988 55.55,99.75 Q1.1@56.338,99.75
NetC22_2: C22.2 L19.2 Q1.3 | length 7.6
  Top Layer w0.35: C22.2@52.9,99.6 54.262,99.6 ; Q1.3@54.263,100.7 54.263,99.9 54.263,99.6 ; L19.2@57.9,99.7 57.9,98.9 57.775,98.775 54.525,98.775 54.263,99.038 54.263,99.6
NetC33_1: C33.1 J13.4 | length 6
  Bottom Layer w0.25: C33.1@14.375,109.06 14.375,106.46 15.175,105.66 15.875,105.66 16.91,104.625 J13.4@16.91,104.57
NetC34_1: C34.1 J13.5 | length 2
  Bottom Layer w0.25: J13.5@15.64,107.11 15.64,109.025 C34.1@15.675,109.06
NetC39_2: C39.2 C40.2 U9.46 U9.47 U10.5 | length 11.3
  Bottom Layer w0.25: U10.5@49,24.7 49,24.3 49.15,24.15 49.7,24.15 ; C39.2@49.75,20.7 49.75,22.3 C40.2@49.65,22.4 49.65,23.4 ; U9.46@52.975,23.45 49.7,23.45 49.65,23.4 ; U9.47@52.975,24.15 49.7,24.15 ; 49.65,23.4 49.65,24.1 49.7,24.15
NetC41_2: C41.2 L13.1 U10.1 | length 4.4
  Bottom Layer w0.25: C41.2@43.8,22.4 L13.1@43.8,23.9 45.7,23.9 46,24.2 46,24.6 U10.1@46.1,24.7
NetC45_1: C45.1 U9.32 | length 4.1
  Bottom Layer w0.5: 54.05,13.15 U9.32@54.05,13.925
  Bottom Layer w0.65: 54.05,13.15 54.05,11.745 ccw(c55.245,11.745) 54.4,10.9 ccw(c54.883,11.383) 54.883,10.7 C45.1@55.3,10.7
NetC45_2: C45.2 J14.1 | length 6.8
  Bottom Layer w0.65: C45.2@56.7,10.7 57.034,10.7 cw(c57.034,9.334) 58,10.3 cw(c56.793,9.093) 58.5,9.093 J14.1@58.5,5
NetC46_1: C46.1 U9.18 | length 5.4
  Bottom Layer w0.5: 63.85,13.15 U9.18@63.85,13.925
  Bottom Layer w0.65: 63.85,11.8 63.85,13.15 63.85,11.745 ccw(c65.045,11.745) 64.2,10.9 ccw(c64.683,11.383) 64.683,10.7 C46.1@65.1,10.7